# KiCad board Phoenix612 Complete v1.kicad_pcb
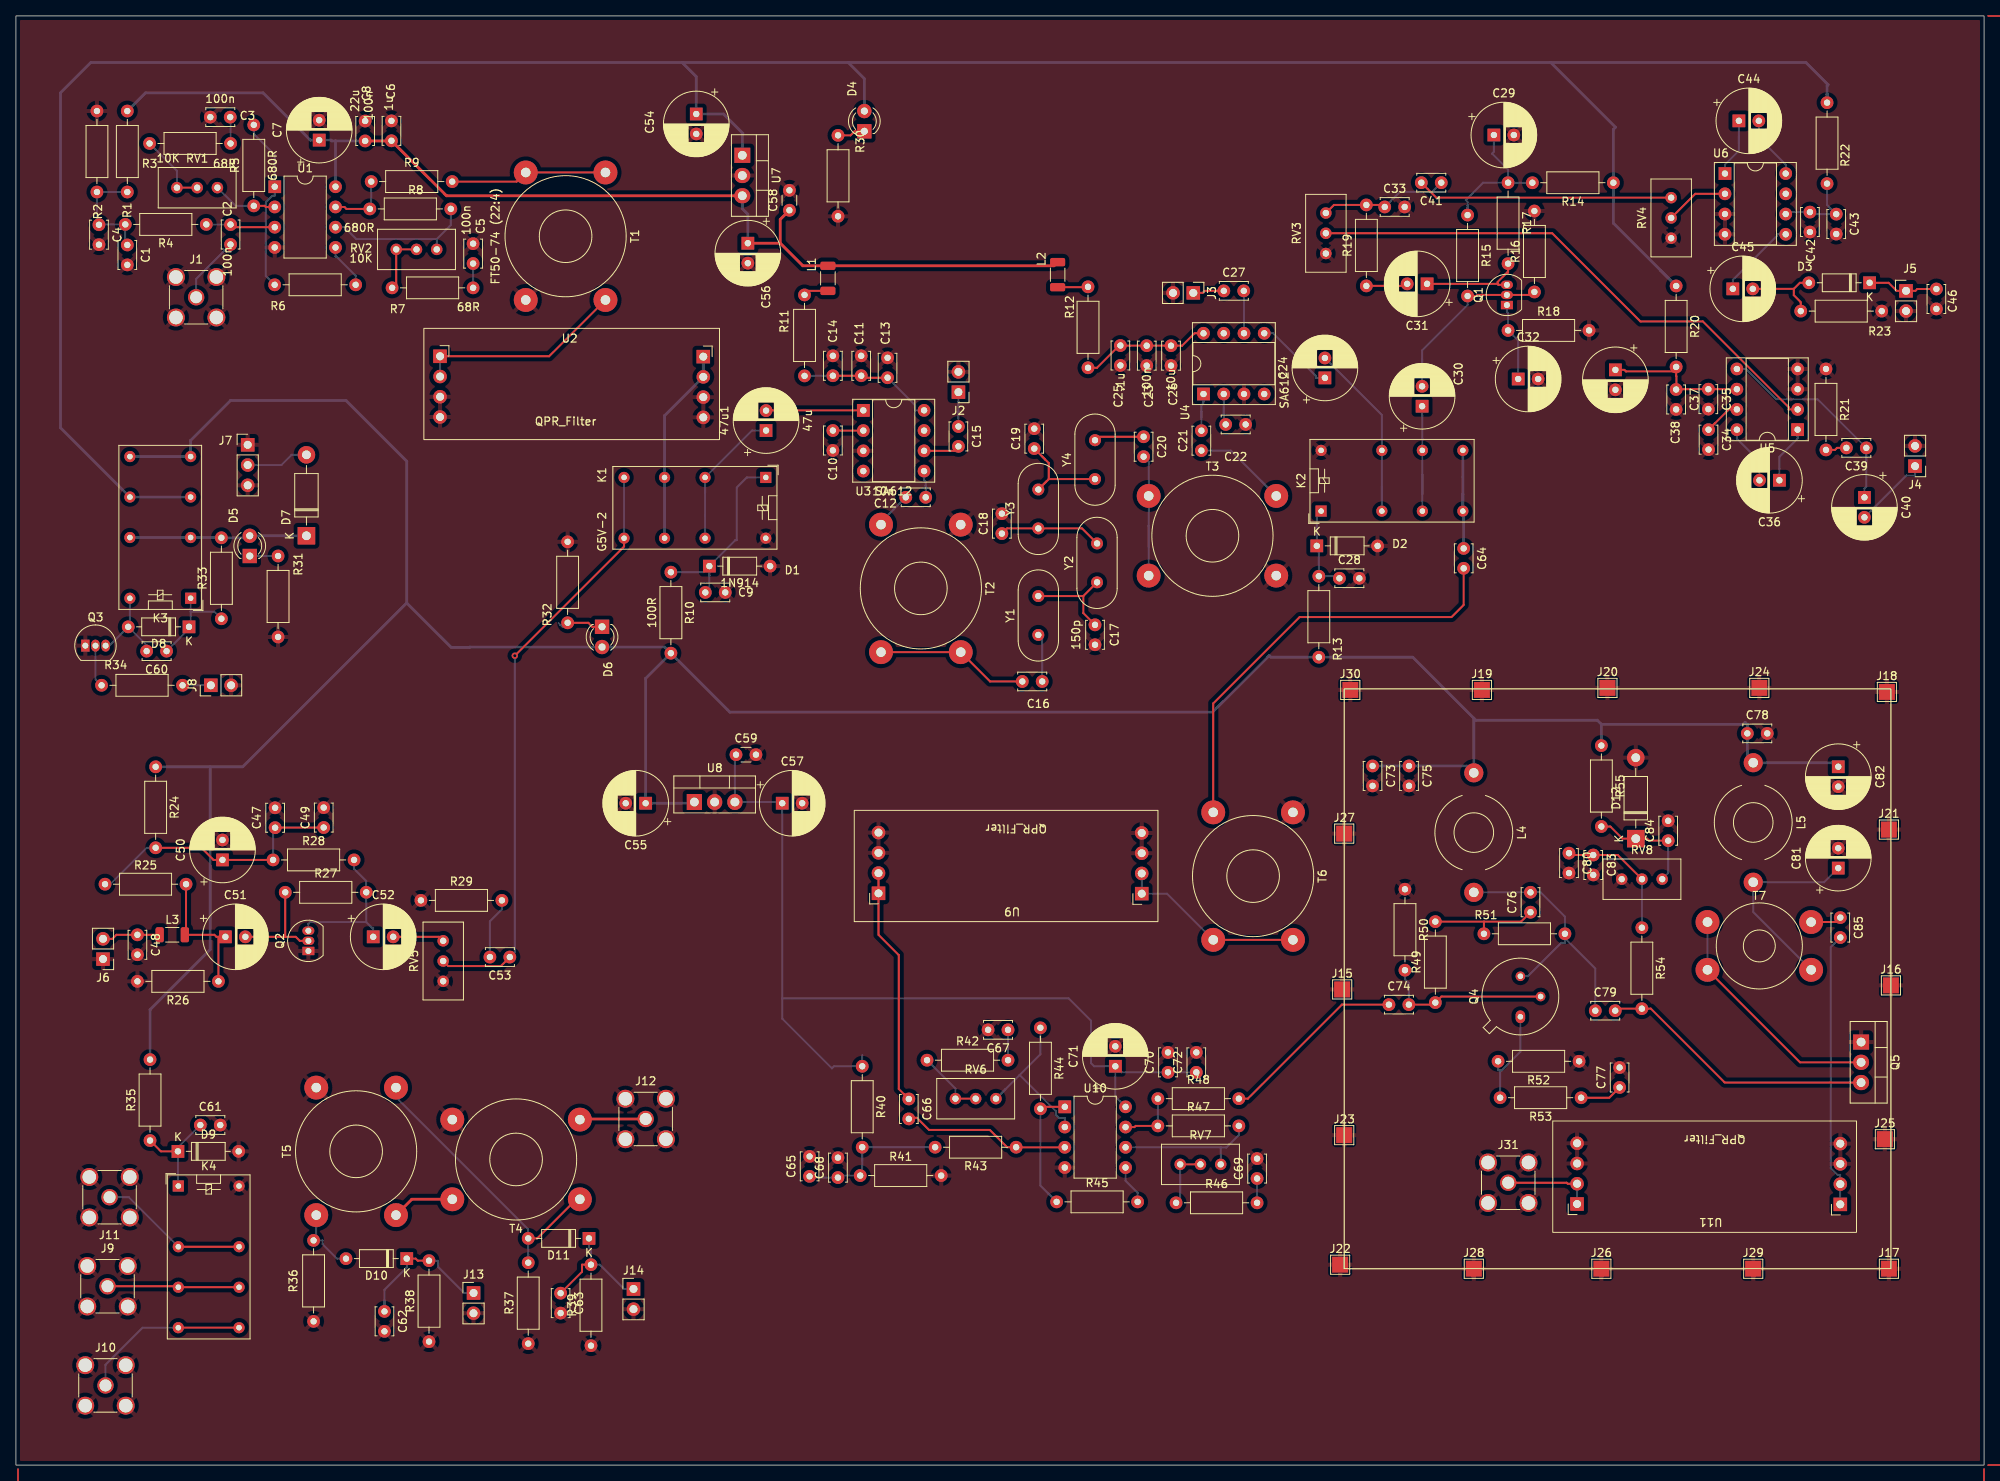
[diagram p0: board, top side]
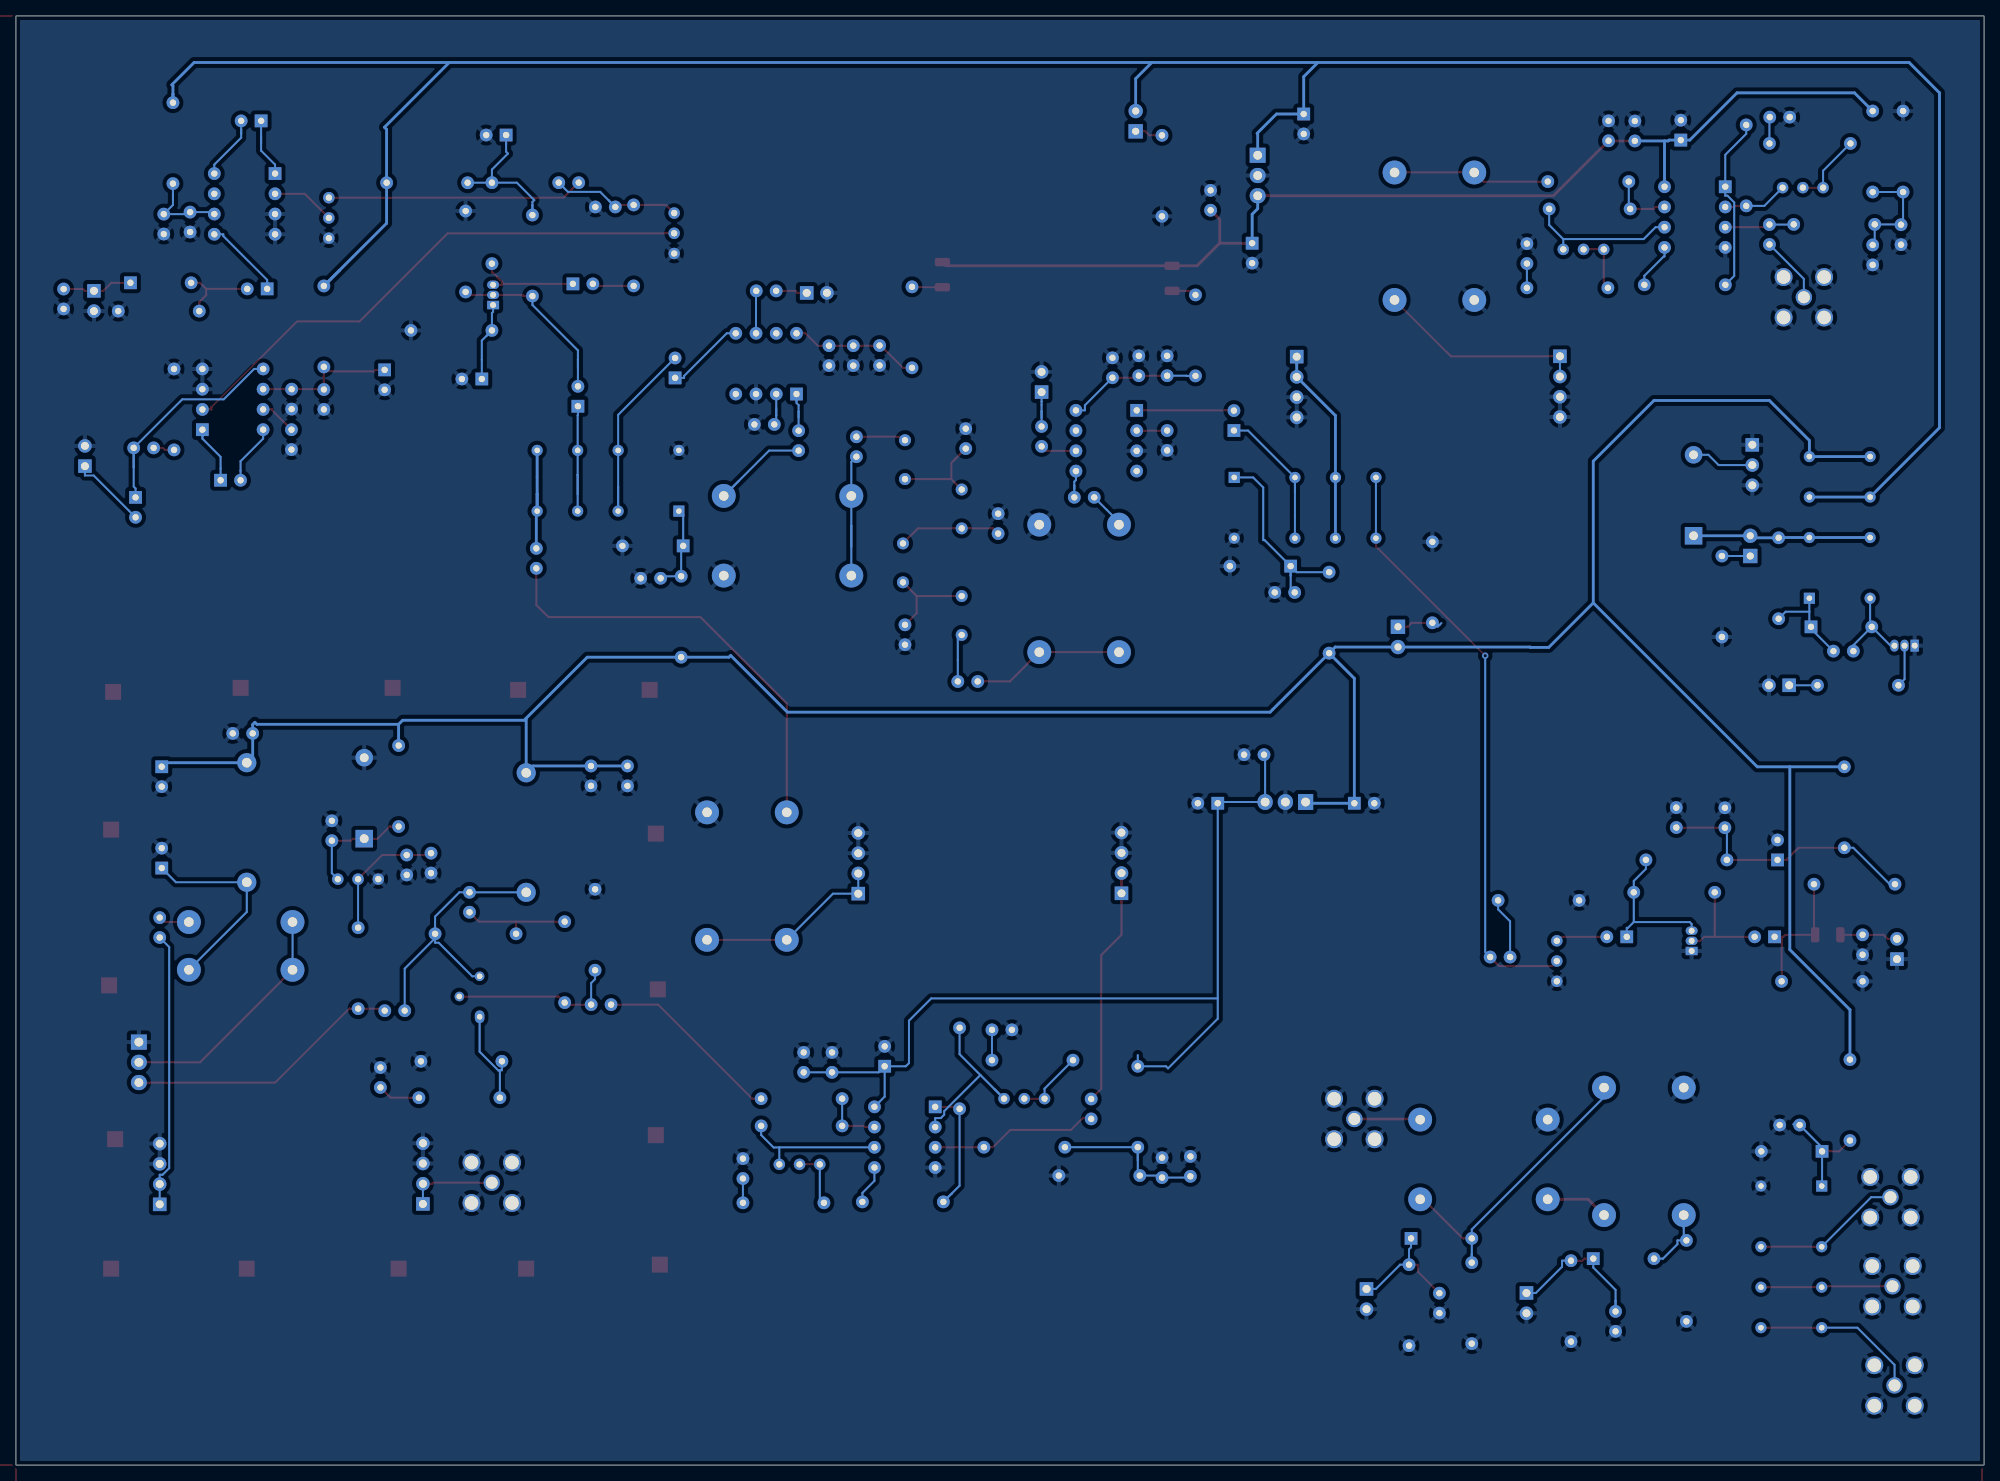
[diagram p1: board, bottom side, seen from below]

Outline 246.89 x 181.86 mm; copper layers: Top, Bottom. Coordinates in mm from the lower left corner of the outline.
Outline path: rectangle 0,181.86 246.89,0
Stack: Top 0.035mm / dielectric 1.51mm FR4 er 4.5 / Bottom 0.035mm

## Placement (name value [footprint] x y rotation side)
47u1  47u  [CP_Radial_D8.0mm_P2.50mm]  94.1 129.83 90 top
C1  1u  [C_Disc_D3.4mm_W2.1mm_P2.50mm]  13.97 153.12 270 top
C2  100n  [C_Disc_D3.4mm_W2.1mm_P2.50mm]  26.92 153.18 90 top
C3  100n  [C_Disc_D3.4mm_W2.1mm_P2.50mm]  26.88 169.16 180 top
C4  100n  [C_Disc_D3.4mm_W2.1mm_P2.50mm]  10.41 155.66 270 top
C5  100n  [C_Disc_D3.4mm_W2.1mm_P2.50mm]  57.35 150.79 90 top
C6  1u  [C_Disc_D3.4mm_W2.1mm_P2.50mm]  47.11 166.2 90 top
C7  22u  [CP_Radial_D8.0mm_P2.50mm]  38.04 166.28 90 top
C8  100n  [C_Disc_D3.4mm_W2.1mm_P2.50mm]  43.81 166.18 90 top
C9  100n  [C_Disc_D3.4mm_W2.1mm_P2.50mm]  86.48 109.51 0 top
C10  100n  [C_Disc_D3.4mm_W2.1mm_P2.50mm]  102.48 129.83 270 top
C11  100n  [C_Disc_D3.4mm_W2.1mm_P2.50mm]  106.04 136.71 90 top
C12  10n  [C_Disc_D3.4mm_W2.1mm_P2.50mm]  114.12 121.45 180 top
C13  .1u  [C_Disc_D3.4mm_W2.1mm_P2.50mm]  109.34 136.46 90 top
C14  10u  [C_Disc_D3.4mm_W2.1mm_P2.50mm]  102.48 136.71 90 top
C15  100n  [C_Disc_D3.4mm_W2.1mm_P2.50mm]  118.23 130.34 270 top
C16  100p  [C_Disc_D3.4mm_W2.1mm_P2.50mm]  126.24 98.34 0 top
C17  150p  [C_Disc_D3.4mm_W2.1mm_P2.50mm]  135.36 105.45 270 top
C18  200p  [C_Disc_D3.4mm_W2.1mm_P2.50mm]  123.68 116.9 90 top
C19  150p  [C_Disc_D3.4mm_W2.1mm_P2.50mm]  127.74 127.57 90 top
C20  100p  [C_Disc_D3.4mm_W2.1mm_P2.50mm]  141.46 129.05 270 top
C21  10n  [C_Disc_D3.4mm_W2.1mm_P2.50mm]  148.71 127.31 90 top
C22  100n  [C_Disc_D3.4mm_W2.1mm_P2.50mm]  151.76 130.6 0 top
C23  100n  [C_Disc_D3.4mm_W2.1mm_P2.50mm]  141.85 140.48 270 top
C24  47u  [CP_Radial_D8.0mm_P2.50mm]  164.2 136.44 90 top
C25  .1u  [C_Disc_D3.4mm_W2.1mm_P2.50mm]  138.55 140.5 270 top
C26  10u  [C_Disc_D3.4mm_W2.1mm_P2.50mm]  144.9 140.48 270 top
C27  100n  [C_Disc_D3.4mm_W2.1mm_P2.50mm]  151.52 147.36 0 top
C28  100n  [C_Disc_D3.4mm_W2.1mm_P2.50mm]  166.02 111.29 0 top
C29  47u  [CP_Radial_D8.0mm_P2.50mm]  185.4 166.92 0 top
C30  47u  [CP_Radial_D8.0mm_P2.50mm]  176.39 132.88 90 top
C31  47u  [CP_Radial_D8.0mm_P2.50mm]  177.02 148.24 180 top
C32  100u  [CP_Radial_D8.0mm_P2.50mm]  188.45 136.3 0 top
C33  10n  [C_Disc_D3.4mm_W2.1mm_P2.50mm]  171.7 157.89 0 top
C34  1u  [C_Disc_D3.4mm_W2.1mm_P2.50mm]  212.32 129.94 270 top
C35  100n  [C_Disc_D3.4mm_W2.1mm_P2.50mm]  212.3 135.02 270 top
C36  10u  [CP_Radial_D8.0mm_P2.50mm]  221.21 123.59 180 top
C37  1n  [C_Disc_D3.4mm_W2.1mm_P2.50mm]  208.26 134.98 270 top
C38  220u  [CP_Radial_D8.0mm_P2.50mm]  200.64 137.44 270 top
C39  10n  [C_Disc_D3.4mm_W2.1mm_P2.50mm]  232.12 127.66 180 top
C40  100u  [CP_Radial_D8.0mm_P2.50mm]  231.88 121.44 270 top
C41  10u  [C_Disc_D3.4mm_W2.1mm_P2.50mm]  178.8 160.94 180 top
C42  100n  [C_Disc_D3.4mm_W2.1mm_P2.50mm]  225.04 157.25 270 top
C43  1n  [C_Disc_D3.4mm_W2.1mm_P2.50mm]  228.35 156.99 270 top
C44  10u  [CP_Radial_D8.0mm_P2.50mm]  216.13 168.7 0 top
C45  10u  [CP_Radial_D8.0mm_P2.50mm]  215.37 147.61 0 top
C46  10n  [C_Disc_D3.4mm_W2.1mm_P2.50mm]  240.91 147.59 270 top
C47  100n  [C_Disc_D3.4mm_W2.1mm_P2.50mm]  32.51 79.99 90 top
C48  10n  [C_Disc_D3.4mm_W2.1mm_P2.50mm]  15.24 66.55 270 top
C49  1n  [C_Disc_D3.4mm_W2.1mm_P2.50mm]  38.61 80.01 90 top
C50  47u  [CP_Radial_D8.0mm_P2.50mm]  25.91 75.95 90 top
C51  47u  [CP_Radial_D8.0mm_P2.50mm]  26.28 66.29 0 top
C52  47u  [CP_Radial_D8.0mm_P2.50mm]  44.82 66.29 0 top
C53  10n  [C_Disc_D3.4mm_W2.1mm_P2.50mm]  61.96 63.75 180 top
C54  22u  [CP_Radial_D8.0mm_P2.50mm]  85.34 169.55 270 top
C55  22u  [CP_Radial_D8.0mm_P2.50mm]  78.99 83.06 180 top
C56  22u  [CP_Radial_D8.0mm_P2.50mm]  91.81 153.34 270 top
C57  22u  [CP_Radial_D8.0mm_P2.50mm]  96.13 83.06 0 top
C58  0.1u  [C_Disc_D3.0mm_W1.6mm_P2.50mm]  97.03 157.48 90 top
C59  0.1u  [C_Disc_D3.0mm_W1.6mm_P2.50mm]  90.33 89.15 0 top
C60  100n  [C_Disc_D3.4mm_W2.1mm_P2.50mm]  18.89 102.15 180 top
C61  100n  [C_Disc_D3.4mm_W2.1mm_P2.50mm]  23.13 42.67 0 top
C62  100n  [C_Disc_D3.4mm_W2.1mm_P2.50mm]  46.23 19.28 270 top
C63  100n  [C_Disc_D3.4mm_W2.1mm_P2.50mm]  68.33 21.57 270 top
C64  10n  [C_Disc_D3.4mm_W2.1mm_P2.50mm]  181.61 115.04 270 top
C65  1u  [C_Disc_D3.4mm_W2.1mm_P2.50mm]  99.56 36.24 90 top
C66  100n  [C_Disc_D3.4mm_W2.1mm_P2.50mm]  112 45.94 270 top
C67  100n  [C_Disc_D3.4mm_W2.1mm_P2.50mm]  124.45 54.62 180 top
C68  100n  [C_Disc_D3.4mm_W2.1mm_P2.50mm]  103.11 36.08 90 top
C69  100n  [C_Disc_D3.4mm_W2.1mm_P2.50mm]  155.69 35.96 90 top
C70  1u  [C_Disc_D3.4mm_W2.1mm_P2.50mm]  144.52 49.29 90 top
C71  22u  [CP_Radial_D8.0mm_P2.50mm]  137.91 50.05 90 top
C72  100n  [C_Disc_D3.4mm_W2.1mm_P2.50mm]  148.07 49.29 90 top
C73  100n  [C_Disc_D3.4mm_W2.1mm_P2.50mm]  170.18 87.74 270 top
C74  100n  [C_Disc_D3.4mm_W2.1mm_P2.50mm]  172.23 57.79 0 top
C75  10u  [C_Disc_D3.4mm_W2.1mm_P2.50mm]  174.75 87.74 270 top
C76  100n  [C_Disc_D3.4mm_W2.1mm_P2.50mm]  189.99 69.38 90 top
C77  100n  [C_Disc_D3.4mm_W2.1mm_P2.50mm]  201.17 47.39 90 top
C78  1u  [C_Disc_D3.4mm_W2.1mm_P2.50mm]  217.19 91.82 0 top
C79  100n  [C_Disc_D3.4mm_W2.1mm_P2.50mm]  198.12 57.02 0 top
C80  100n  [C_Disc_D3.4mm_W2.1mm_P2.50mm]  194.82 76.8 270 top
C81  .22u  [CP_Radial_D8.0mm_P2.50mm]  228.6 74.92 90 top
C82  100u  [CP_Radial_D8.0mm_P2.50mm]  228.6 87.64 270 top
C83  10u  [C_Disc_D3.4mm_W2.1mm_P2.50mm]  197.87 76.56 270 top
C84  10u  [C_Disc_D3.4mm_W2.1mm_P2.50mm]  207.26 78.36 90 top
C85  100n  [C_Disc_D3.4mm_W2.1mm_P2.50mm]  228.85 68.71 270 top
D1  1N914  [D_DO-35_SOD27_P7.62mm_Horizontal]  86.99 112.82 0 top
D2  1N914  [D_DO-35_SOD27_P7.62mm_Horizontal]  163.19 115.36 0 top
D3  1N4148  [D_DO-35_SOD27_P7.62mm_Horizontal]  232.53 148.38 180 top
D4  LED  [LED_D3.0mm]  106.43 167.39 90 top
D5  LED  [LED_D3.0mm]  29.33 114.09 90 top
D6  LED  [LED_D3.0mm]  73.52 105.2 270 top
D7  1N4001  [D_DO-41_SOD81_P10.16mm_Horizontal]  36.44 116.63 90 top
D8  1N914  [D_DO-35_SOD27_P7.62mm_Horizontal]  21.71 105.2 180 top
D9  1N914  [D_DO-35_SOD27_P7.62mm_Horizontal]  20.32 39.37 0 top
D10  1N914  [D_DO-35_SOD27_P7.62mm_Horizontal]  49.02 25.91 180 top
D11  1N914  [D_DO-35_SOD27_P7.62mm_Horizontal]  71.88 28.45 180 top
D12  1N4733A  [D_DO-41_SOD81_P10.16mm_Horizontal]  203.2 78.61 90 top
J1  ANT_IN  [SMA_Amphenol_901-144_Vertical]  22.61 146.56 0 top
J2  LO/BFO  [PinHeader_1x02_P2.54mm_Vertical]  118.23 134.66 180 top
J3  BFO/LO  [PinHeader_1x02_P2.54mm_Vertical]  147.69 147.11 270 top
J4  SPK  [PinHeader_1x02_P2.54mm_Vertical]  238.23 125.36 180 top
J5  Smeter  [PinHeader_1x02_P2.54mm_Vertical]  237.1 147.37 0 top
J6  MICIN  [PinHeader_1x02_P2.54mm_Vertical]  10.92 63.5 180 top
J7  PWR  [PinHeader_1x03_P2.54mm_Vertical]  29.07 128.04 0 top
J8  uC PTT  [PinHeader_1x02_P2.54mm_Vertical]  24.45 97.86 90 top
J9  ANT_IN  [SMA_Amphenol_901-144_Vertical]  11.49 22.44 0 top
J10  ANT_OUT  [SMA_Amphenol_901-144_Vertical]  11.23 9.99 0 top
J11  ANT  [SMA_Amphenol_901-144_Vertical]  11.74 33.62 180 top
J12  PA_OUT  [SMA_Amphenol_901-144_Vertical]  78.99 43.43 0 top
J13  Fwd  [PinHeader_1x02_P2.54mm_Vertical]  57.4 21.59 0 top
J14  Rev  [PinHeader_1x02_P2.54mm_Vertical]  77.47 22.1 0 top
J15  Conn_01x01  [TestPoint_Pad_2.0x2.0mm]  166.37 59.69 0 top
J16  Conn_01x01  [TestPoint_Pad_2.0x2.0mm]  235.2 60.2 0 top
J17  Conn_01x01  [TestPoint_Pad_2.0x2.0mm]  234.95 24.64 0 top
J18  Conn_01x01  [TestPoint_Pad_2.0x2.0mm]  234.7 97.03 0 top
J19  Conn_01x01  [TestPoint_Pad_2.0x2.0mm]  183.9 97.28 0 top
J20  Conn_01x01  [TestPoint_Pad_2.0x2.0mm]  199.64 97.54 0 top
J21  Conn_01x01  [TestPoint_Pad_2.0x2.0mm]  234.95 79.76 0 top
J22  Conn_01x01  [TestPoint_Pad_2.0x2.0mm]  166.12 25.15 0 top
J23  Conn_01x01  [TestPoint_Pad_2.0x2.0mm]  166.62 41.4 0 top
J24  Conn_01x01  [TestPoint_Pad_2.0x2.0mm]  218.69 97.54 0 top
J25  Conn_01x01  [TestPoint_Pad_2.0x2.0mm]  234.44 40.89 0 top
J26  Conn_01x01  [TestPoint_Pad_2.0x2.0mm]  198.88 24.64 0 top
J27  Conn_01x01  [TestPoint_Pad_2.0x2.0mm]  166.62 79.25 0 top
J28  Conn_01x01  [TestPoint_Pad_2.0x2.0mm]  182.88 24.64 0 top
J29  Conn_01x01  [TestPoint_Pad_2.0x2.0mm]  217.93 24.64 0 top
J30  Conn_01x01  [TestPoint_Pad_2.0x2.0mm]  167.39 97.28 0 top
J31  ANT_OUT  [SMA_Amphenol_901-144_Vertical]  187.2 35.43 0 top
K1  G5V-2  [Relay_DPDT_Omron_G5V-2]  94.06 123.94 270 top
K2  G5V-2  [Relay_DPDT_Omron_G5V-2]  163.73 119.72 90 top
K3  G5V-2  [Relay_DPDT_Omron_G5V-2]  21.91 108.78 180 top
K4  G5V-2  [Relay_DPDT_Omron_G5V-2]  20.37 35.02 0 top
L1  20u  [L_1206_3216Metric]  101.85 148.94 270 top
L2  20u  [L_1206_3216Metric]  130.67 149.39 270 top
L3  20u  [L_1206_3216Metric]  19.61 66.55 0 top
L4  FT-37-43 (8T)  [L_Toroid_Horizontal_D9.5mm_P15.00mm_Diameter10-5mm_Amidon-T37]  182.88 86.88 270 top
L5  FT-37-43 (8T)  [L_Toroid_Horizontal_D9.5mm_P15.00mm_Diameter10-5mm_Amidon-T37]  217.93 88.15 270 top
Q1  2N3904  [TO-92_Inline]  187.03 145.58 90 top
Q2  2N3904  [TO-92_Inline]  36.68 64.52 90 top
Q3  2N3904  [TO-92_Inline]  8.71 102.84 0 top
Q4  2N2219  [TO-39-3]  188.72 56.26 90 top
Q5  IRF510  [TO-220-3_Vertical]  231.47 53.09 270 top
R1  10K  [R_Axial_DIN0207_L6.3mm_D2.5mm_P10.16mm_Horizontal]  13.97 169.93 270 top
R2  10K  [R_Axial_DIN0207_L6.3mm_D2.5mm_P10.16mm_Horizontal]  10.16 159.77 90 top
R3  68R  [R_Axial_DIN0207_L6.3mm_D2.5mm_P10.16mm_Horizontal]  16.76 165.86 0 top
R4  51R  [R_Axial_DIN0207_L6.3mm_D2.5mm_P10.16mm_Horizontal]  23.88 155.7 180 top
R5  680R  [R_Axial_DIN0207_L6.3mm_D2.5mm_P10.16mm_Horizontal]  29.84 158.03 90 top
R6  200R  [R_Axial_DIN0207_L6.3mm_D2.5mm_P10.16mm_Horizontal]  32.46 148.12 0 top
R7  68R  [R_Axial_DIN0207_L6.3mm_D2.5mm_P10.16mm_Horizontal]  47.19 147.74 0 top
R8  680R  [R_Axial_DIN0207_L6.3mm_D2.5mm_P10.16mm_Horizontal]  44.39 157.65 0 top
R9  50R  [R_Axial_DIN0207_L6.3mm_D2.5mm_P10.16mm_Horizontal]  44.57 161.08 0 top
R10  100R  [R_Axial_DIN0207_L6.3mm_D2.5mm_P10.16mm_Horizontal]  82.16 112.05 270 top
R11  100R  [R_Axial_DIN0207_L6.3mm_D2.5mm_P10.16mm_Horizontal]  98.92 146.85 270 top
R12  100R  [R_Axial_DIN0207_L6.3mm_D2.5mm_P10.16mm_Horizontal]  134.48 147.87 270 top
R13  100R  [R_Axial_DIN0207_L6.3mm_D2.5mm_P10.16mm_Horizontal]  163.44 111.55 270 top
R14  100R  [R_Axial_DIN0207_L6.3mm_D2.5mm_P10.16mm_Horizontal]  200.39 160.93 180 top
R15  100K  [R_Axial_DIN0207_L6.3mm_D2.5mm_P10.16mm_Horizontal]  182.1 156.88 270 top
R16  10K  [R_Axial_DIN0207_L6.3mm_D2.5mm_P10.16mm_Horizontal]  190.48 147.22 90 top
R17  1K  [R_Axial_DIN0207_L6.3mm_D2.5mm_P10.16mm_Horizontal]  187.18 160.94 270 top
R18  470R  [R_Axial_DIN0207_L6.3mm_D2.5mm_P10.16mm_Horizontal]  187.18 142.4 0 top
R19  2.7K  [R_Axial_DIN0207_L6.3mm_D2.5mm_P10.16mm_Horizontal]  169.4 147.99 90 top
R20  100R  [R_Axial_DIN0207_L6.3mm_D2.5mm_P10.16mm_Horizontal]  208.26 147.98 270 top
R21  10R  [R_Axial_DIN0207_L6.3mm_D2.5mm_P10.16mm_Horizontal]  227.06 137.56 270 top
R22  100R  [R_Axial_DIN0207_L6.3mm_D2.5mm_P10.16mm_Horizontal]  227.19 170.98 270 top
R23  10R  [R_Axial_DIN0207_L6.3mm_D2.5mm_P10.16mm_Horizontal]  234.05 144.82 180 top
R24  100R  [R_Axial_DIN0207_L6.3mm_D2.5mm_P10.16mm_Horizontal]  17.53 87.63 270 top
R25  10K  [R_Axial_DIN0207_L6.3mm_D2.5mm_P10.16mm_Horizontal]  11.18 72.9 0 top
R26  10K  [R_Axial_DIN0207_L6.3mm_D2.5mm_P10.16mm_Horizontal]  25.4 60.71 180 top
R27  220R  [R_Axial_DIN0207_L6.3mm_D2.5mm_P10.16mm_Horizontal]  33.78 71.88 0 top
R28  10K  [R_Axial_DIN0207_L6.3mm_D2.5mm_P10.16mm_Horizontal]  32.26 75.95 0 top
R29  10R  [R_Axial_DIN0207_L6.3mm_D2.5mm_P10.16mm_Horizontal]  50.8 70.87 0 top
R30  200R  [R_Axial_DIN0207_L6.3mm_D2.5mm_P10.16mm_Horizontal]  103.12 166.88 270 top
R31  200R  [R_Axial_DIN0207_L6.3mm_D2.5mm_P10.16mm_Horizontal]  32.88 114.09 270 top
R32  200R  [R_Axial_DIN0207_L6.3mm_D2.5mm_P10.16mm_Horizontal]  69.21 105.7 90 top
R33  100R  [R_Axial_DIN0207_L6.3mm_D2.5mm_P10.16mm_Horizontal]  25.77 106.21 90 top
R34  5K  [R_Axial_DIN0207_L6.3mm_D2.5mm_P10.16mm_Horizontal]  10.74 97.86 0 top
R35  100R  [R_Axial_DIN0207_L6.3mm_D2.5mm_P10.16mm_Horizontal]  16.82 40.73 90 top
R36  51R  [R_Axial_DIN0207_L6.3mm_D2.5mm_P10.16mm_Horizontal]  37.34 18.03 90 top
R37  51R  [R_Axial_DIN0207_L6.3mm_D2.5mm_P10.16mm_Horizontal]  64.26 15.24 90 top
R38  220R  [R_Axial_DIN0207_L6.3mm_D2.5mm_P10.16mm_Horizontal]  51.82 15.49 90 top
R39  220R  [R_Axial_DIN0207_L6.3mm_D2.5mm_P10.16mm_Horizontal]  72.14 14.99 90 top
R40  10K  [R_Axial_DIN0207_L6.3mm_D2.5mm_P10.16mm_Horizontal]  106.16 50.05 270 top
R41  10K  [R_Axial_DIN0207_L6.3mm_D2.5mm_P10.16mm_Horizontal]  105.91 36.33 0 top
R42  68R  [R_Axial_DIN0207_L6.3mm_D2.5mm_P10.16mm_Horizontal]  114.29 50.81 0 top
R43  51R  [R_Axial_DIN0207_L6.3mm_D2.5mm_P10.16mm_Horizontal]  125.47 39.89 180 top
R44  680R  [R_Axial_DIN0207_L6.3mm_D2.5mm_P10.16mm_Horizontal]  128.51 54.87 270 top
R45  200R  [R_Axial_DIN0207_L6.3mm_D2.5mm_P10.16mm_Horizontal]  130.55 33.03 0 top
R46  68R  [R_Axial_DIN0207_L6.3mm_D2.5mm_P10.16mm_Horizontal]  145.53 32.91 0 top
R47  680R  [R_Axial_DIN0207_L6.3mm_D2.5mm_P10.16mm_Horizontal]  143.25 42.57 0 top
R48  50R  [R_Axial_DIN0207_L6.3mm_D2.5mm_P10.16mm_Horizontal]  143.25 45.98 0 top
R49  680R  [R_Axial_DIN0207_L6.3mm_D2.5mm_P10.16mm_Horizontal]  178.05 58.04 90 top
R50  1K  [R_Axial_DIN0207_L6.3mm_D2.5mm_P10.16mm_Horizontal]  174.24 72.26 270 top
R51  2.2K  [R_Axial_DIN0207_L6.3mm_D2.5mm_P10.16mm_Horizontal]  184.15 66.68 0 top
R52  10R  [R_Axial_DIN0207_L6.3mm_D2.5mm_P10.16mm_Horizontal]  196.09 50.67 180 top
R53  202R  [R_Axial_DIN0207_L6.3mm_D2.5mm_P10.16mm_Horizontal]  196.34 46.1 180 top
R54  51R  [R_Axial_DIN0207_L6.3mm_D2.5mm_P10.16mm_Horizontal]  203.96 67.44 270 top
R55  1K  [R_Axial_DIN0207_L6.3mm_D2.5mm_P10.16mm_Horizontal]  198.88 90.3 270 top
RV1  10K  [Potentiometer_Bourns_3296W_Vertical]  25.27 160.31 0 top
RV2  10K  [Potentiometer_Bourns_3296W_Vertical]  52.79 152.57 0 top
RV3  10K  [Potentiometer_Bourns_3296W_Vertical]  164.32 157.13 90 top
RV4  10K  [Potentiometer_Bourns_3296W_Vertical]  207.64 159.05 90 top
RV5  10K  [Potentiometer_Bourns_3296W_Vertical]  53.59 65.8 90 top
RV6  10K  [Potentiometer_Bourns_3296W_Vertical]  122.94 45.98 0 top
RV7  10K  [Potentiometer_Bourns_3296W_Vertical]  151.13 37.74 0 top
RV8  10K  [Potentiometer_Bourns_3296W_Vertical]  206.51 73.53 0 top
T1  FT50-74 (22:4)  [Transformer_Toroid_Horizontal_D14.0mm_Amidon-T50]  63.95 162.22 270 top
T2  FT50-75 (18:7)  [Transformer_Toroid_Horizontal_D14.0mm_Amidon-T50]  108.52 118.02 270 top
T3  FT50-75 (7:18)  [Transformer_Toroid_Horizontal_D14.0mm_Amidon-T50]  142.09 111.63 0 top
T4  FT37-43 (1:10)  [Transformer_Toroid_Horizontal_D14.0mm_Amidon-T50]  70.74 43.35 180 top
T5  FT37-43 (1:10)  [Transformer_Toroid_Horizontal_D14.0mm_Amidon-T50]  47.67 31.37 90 top
T6  FT50-74 (22:4)  [Transformer_Toroid_Horizontal_D14.0mm_Amidon-T50]  150.19 81.91 270 top
T7  FT3743(10BFT)  [Transformer_Toroid_Horizontal_D10.5mm_Amidon-T37]  212.19 62.15 0 top
U1  LT1253  [DIP-8_W7.62mm]  32.47 160.43 0 top
U2  QPR_Filter  [QRPLabs_Filter_TH]  63.36 133.77 0 top
U3  SA612  [DIP-8_W7.62mm_Socket]  106.3 132.36 0 top
U4  SA612  [DIP-8_W7.62mm_Socket]  148.97 134.42 90 top
U5  LM386  [DIP-8_W7.62mm_Socket]  223.5 129.94 180 top
U6  LM386  [DIP-8_W7.62mm_Socket]  214.39 162.08 0 top
U7  LM7805  [TO-220-3_Vertical]  91.12 164.38 270 top
U8  LM7805  [TO-220-3_Vertical]  85.11 83.21 0 top
U9  QPR_Filter  [QRPLabs_Filter_TH]  131.06 77.09 180 top
U10  LT1253  [DIP-8_W7.62mm]  131.57 44.96 0 top
U11  QPR_Filter  [QRPLabs_Filter_TH]  218.69 38.1 180 top
Y1  12 MHz  [Crystal_HC49-4H_Vertical]  128.25 104.18 90 top
Y2  12 MHz  [Crystal_HC49-4H_Vertical]  135.62 110.78 90 top
Y3  12 MHz  [Crystal_HC49-4H_Vertical]  128.25 117.55 90 top
Y4  12 MHz  [Crystal_HC49-4H_Vertical]  135.36 123.74 90 top

## Library data of the parts
D1 = -: Field4: K; Field5: K
